# Altium PCB PCB_15122020_01BC.PcbDoc (part 5 of 9) (continued)
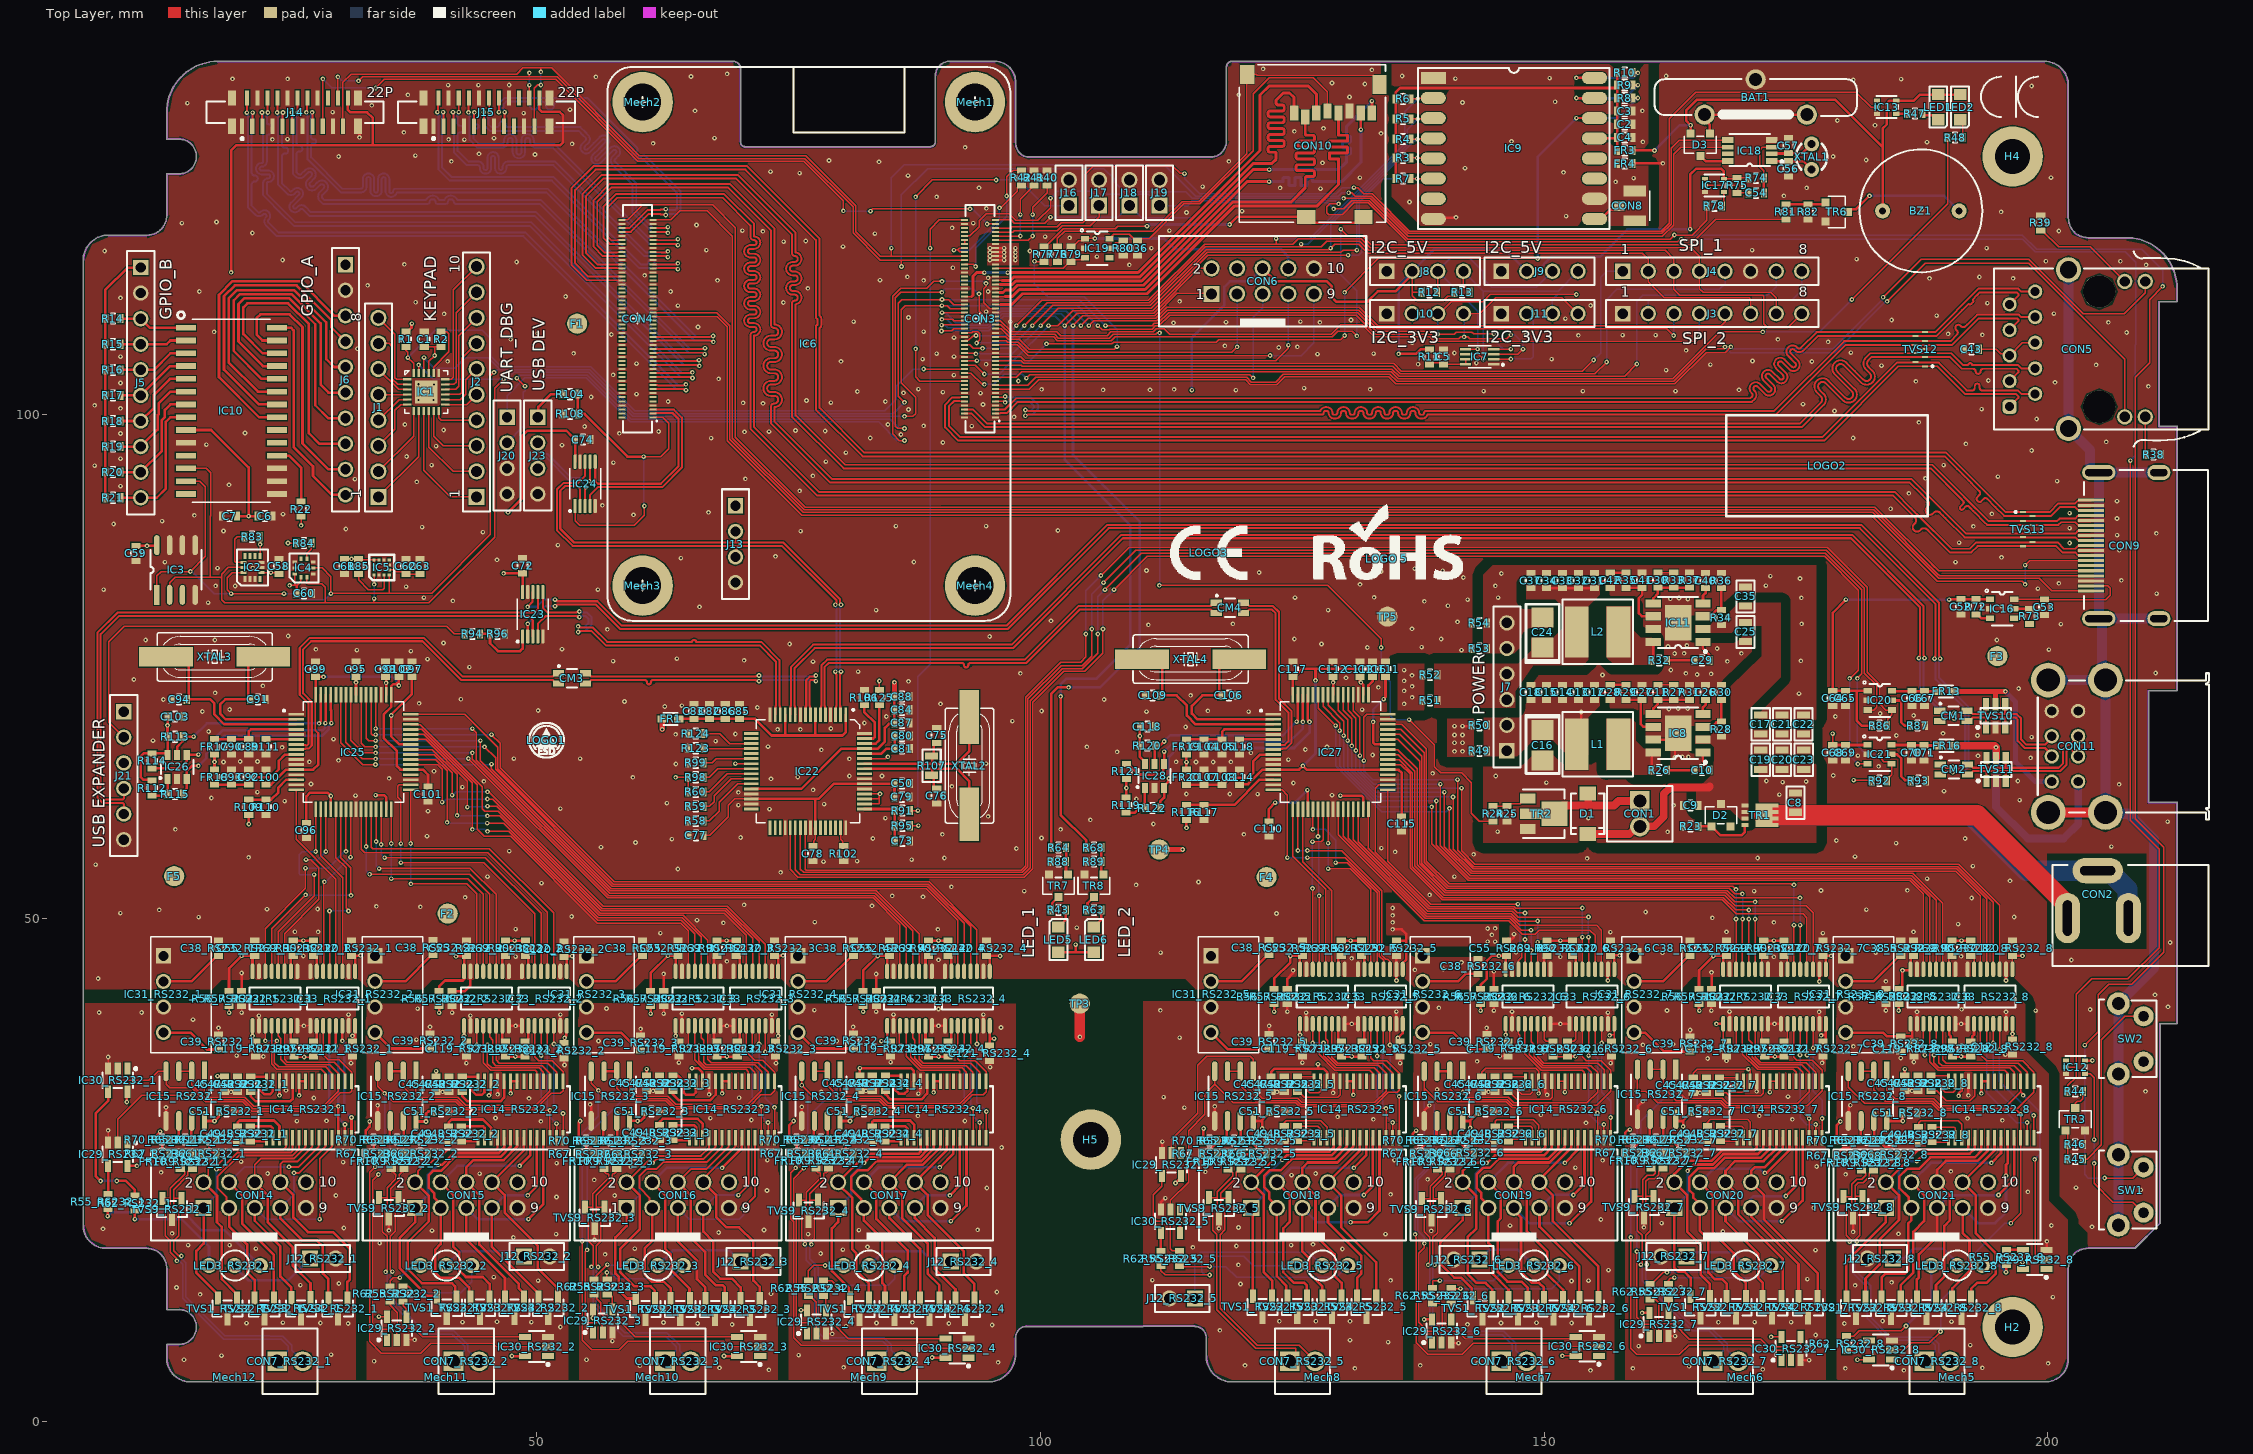
[diagram p0: Top Layer view]
## Nets (pads, with @x,y where several pads share a name; then routed paths per layer and width w, separated by ;. In a path a pad name is that pad's centre, name@x,y a point inside that pad or via, vN(x,y) a via of type N, cw(c..) or ccw(c..) an arc to the next point about the centre after c; other vN are vias at no path point) (continued)
  Top Layer w0.127: C48_RS232_7.1@167.5,27.85 169.068,27.85 169.155,27.936 IC14_RS232_7.1@169.155,28.2
NetC48_RS232_7_2: C48_RS232_7.2 IC14_RS232_7.2 | length 3.4
  Top Layer w0.127: C48_RS232_7.2@167.5,29.35 169.6,29.35 169.805,29.145 IC14_RS232_7.2@169.805,28.2 IC14_RS232_7.2@169.785,28.22
NetC48_RS232_8_1: C48_RS232_8.1 IC14_RS232_8.1 | length 2.1
  Top Layer w0.127: C48_RS232_8.1@188.5,27.75 190.068,27.75 190.155,27.836 IC14_RS232_8.1@190.155,28.2
NetC48_RS232_8_2: C48_RS232_8.2 IC14_RS232_8.2 | length 3.3
  Top Layer w0.127: C48_RS232_8.2@188.5,29.25 190.725,29.25 190.805,29.17 IC14_RS232_8.2@190.805,28.2
NetC49_RS232_1_1: C49_RS232_1.1 IC14_RS232_1.3 | length 6
  Top Layer w0.254: C49_RS232_1.1@20.3,29.325 20.3,29.7 20.5,29.9 23.89,29.9 24.455,29.335 IC14_RS232_1.3@24.455,28.2
NetC49_RS232_2_1: C49_RS232_2.1 IC14_RS232_2.3 | length 6
  Top Layer w0.254: C49_RS232_2.1@41.25,29.325 41.25,29.7 41.55,30 44.65,30 45.455,29.195 IC14_RS232_2.3@45.455,28.2
NetC49_RS232_3_1: C49_RS232_3.1 IC14_RS232_3.3 | length 6.3
  Top Layer w0.254: C49_RS232_3.1@62.2,29.45 62.2,29.75 62.525,30.075 65.962,30.075 66.455,29.582 IC14_RS232_3.3@66.455,28.2
NetC49_RS232_4_1: C49_RS232_4.1 IC14_RS232_4.3 | length 6.1
  Top Layer w0.254: C49_RS232_4.1@83.3,29.325 83.3,29.75 83.45,29.9 87.05,29.9 87.455,29.495 IC14_RS232_4.3@87.455,28.2
NetC49_RS232_5_1: C49_RS232_5.1 IC14_RS232_5.3 | length 6
  Top Layer w0.127: C49_RS232_5.1@124.2,29.35 124.2,29.7 124.4,29.9 127.8,29.9 128.455,29.245 IC14_RS232_5.3@128.455,28.2
NetC49_RS232_6_1: C49_RS232_6.1 IC14_RS232_6.3 | length 6.3
  Top Layer w0.127: C49_RS232_6.1@145.143,29.325 145.143,29.825 145.3,29.982 148.925,29.982 149.455,29.452 IC14_RS232_6.3@149.455,28.2
NetC49_RS232_7_1: C49_RS232_7.1 IC14_RS232_7.3 | length 6.4
  Top Layer w0.127: C49_RS232_7.1@166.2,29.35 166.2,29.7 166.5,30 170.2,30 170.455,29.745 IC14_RS232_7.3@170.455,28.2
NetC49_RS232_8_1: C49_RS232_8.1 IC14_RS232_8.3 | length 6.3
  Top Layer w0.127: C49_RS232_8.1@187.15,29.25 187.2,29.3 187.2,29.7 187.4,29.9 191.1,29.9 191.455,29.545 IC14_RS232_8.3@191.455,28.2
NetC50_1: C50.1 C77.1 C78.1 C79.1 IC22.30 IC22.42 IC22.54 | length 27.9
  Top Layer w0.127: C77.1@66.55,58.2 67.167,58.2 69,60.033 69,61.175 69.646,61.821 IC22.30@71.299,61.821 ; C78.1@77.4,57.15 77.467,57.15 77.467,57.64 77.662,57.836 IC22.42@77.662,58.958
  Top Layer w0.254: IC22.30@71.299,61.821 77.65,61.821 ; IC22.42@77.662,58.958 77.662,61.809 77.65,61.821 ; C79.1@85.5,62.018 85.511,62.028 85.511,63.364 85.468,63.321 IC22.54@82.526,63.321 79.475,63.321 77.975,61.821 77.65,61.821
NetC54_2: C54.2 IC17.2 R75.1 | length 5
  Top Layer w0.127: IC17.2@165.95,122.725 168.975,122.725 169.2,122.5 169.2,122.022 R75.1@169.153,121.975 C54.2@170.302,121.975
NetC62_2: C62.2 C63.2 IC5.5 | length 3.2
  Top Layer w0.127: IC5.5@35.35,84.55 35.899,84.55 36.063,84.386 36.764,84.386 C62.2@37,84.15 C63.2@38.4,84.15
NetC66_1: C66.1 C67.1 FR13.1 IC20.6 | length 4.6
  Top Layer w0.254: IC20.6@184.524,72.55 184.548,72.525 189.051,72.525 FR13.1@189.075,72.501
NetC70_1: C70.1 C71.1 FR16.1 IC21.6 | length 4.7
  Top Layer w0.254: IC21.6@184.499,67.2 184.523,67.176 186.45,67.176 C70.1@186.474,67.152 C71.1@187.724,67.152 187.75,67.126 189.099,67.126 FR16.1@189.125,67.1
NetC75_2: C75.2 IC22.58 R107.2 XTAL2.1 | length 16.7
  Top Layer w0.254: IC22.58@82.526,65.321 89.25,65.321 ; C75.2@89.7,67.375 89.596,67.375 89.423,67.202 89.423,66.298 R107.2@89.2,66.075 89.25,66.025 89.25,65.321 ; XTAL2.1@92.95,69.951 92.95,66.571 91.7,65.321 89.25,65.321
NetC76_2: C76.2 IC22.57 R107.1 XTAL2.2 | length 16.5
  Top Layer w0.254: IC22.57@82.526,64.821 89.25,64.821 ; C76.2@89.7,62.875 89.596,62.875 89.423,63.048 89.423,63.952 R107.1@89.2,64.175 89.25,64.225 89.25,64.821 ; XTAL2.2@92.95,60.299 92.95,63.575 91.704,64.821 89.25,64.821
NetC80_1: C80.1 C81.1 IC22.60 | length 4.5
  Top Layer w0.254: IC22.60@82.526,66.321 84.196,66.321 84.696,66.821 C81.1@85.521,66.821 C80.1@85.521,68.085
NetC82_1: C82.1 C83.1 C85.1 C86.1 FR1.1 IC22.1 IC22.7 IC22.13 | length 23.4
  Top Layer w0.254: FR1.1@64.009,69.771 64.012,69.767 C83.1@65.587,69.767 C82.1@67.148,69.767 C86.1@68.708,69.767 C85.1@70.108,69.767 71.658,69.767 73.304,68.121 74.7,68.121 ; IC22.13@74.662,70.185 74.662,68.159 74.7,68.121 ; IC22.7@77.662,70.185 77.662,68.159 77.7,68.121 ; IC22.1@80.662,70.185 80.662,68.438 80.346,68.121 77.7,68.121 ; 74.7,68.121 77.7,68.121
NetC89_1: C89.1 C90.1 FR17.2 IC25.4 | length 8.9
  Top Layer w0.254: FR17.2@18,67.75 C90.1@19.7,67.75 C89.1@21.4,67.75 21.4,68.504 21.626,68.73 26.07,68.73 IC25.4@26.075,68.725
NetC92_2: C92.2 C93.2 FR18.2 IC25.9 | length 10
  Top Layer w0.254: FR18.2@18,63.25 C93.2@19.7,63.25 C92.2@21.4,63.25 21.4,63.56 21.804,63.964 23.586,63.964 24.382,64.76 24.382,65.593 25.019,66.23 IC25.9@26.12,66.23
NetC99_1: C99.1 C100.1 C101.1 C102.1 IC25.12 IC25.37 IC25.49 IC25.64 | length 38.8
  Top Layer w0.127: IC25.64@28.05,72.16 28,72.11 28,68.649 28.309,68.34
  Top Layer w0.254: C100.1@23.1,63.25 23.622,63.25 25.102,64.73 IC25.12@26.07,64.73 ; IC25.12@26.12,64.73 27.782,64.73 28.309,65.257 28.309,68.34 ; IC25.64@28.037,72.16 28.05,72.173 C99.1@28.05,73.95 v1(28.825,73.95) ; v1(36.3,73.089) 36.3,73.5 ; C102.1@36.3,73.95 36.3,73.5 ; C101.1@39.2,63.05 39.2,64.225 38.695,64.73 IC25.37@37.48,64.73 36.453,64.73 36.1,65.083 36.1,66.575 34.799,67.876 34.799,70.219 35.55,70.97 IC25.49@35.55,72.16 35.55,73.025 35.75,73.225 36.025,73.225 36.3,73.5
  Bottom Layer w0.254: v1(28.825,73.95) 35.65,73.95 36.3,73.3 v1(36.3,73.089)
NetC104_1: C104.1 C105.1 FR19.2 IC27.4 | length 9.5
  Top Layer w0.254: FR19.2@114.48,67.731 C104.1@116.245,67.731 C105.1@118.01,67.731 118.03,67.751 118.03,68.49 118.27,68.73 IC27.4@123.12,68.73
NetC107_2: C107.2 C108.2 FR20.2 IC27.9 | length 10.5
  Top Layer w0.254: FR20.2@114.48,63.233 C107.2@116.245,63.233 C108.2@118.01,63.233 118.16,63.233 118.837,63.91 120.577,63.91 121.133,64.466 121.133,65.567 121.796,66.23 IC27.9@123.12,66.23
NetC114_1: C114.1 C115.1 C116.1 C117.1 IC27.12 IC27.37 IC27.49 IC27.64 | length 44.3
  Top Layer w0.254: C114.1@119.775,63.233 119.842,63.3 120.606,63.3 122.036,64.73 IC27.12@123.12,64.73 125.68,64.73 v1(126.05,65.1) 126.42,64.73 IC27.37@134.48,64.73 134.493,64.717 135.558,64.717 135.85,64.425 C115.1@135.85,60.1 ; IC27.64@125.05,72.16 C117.1@125.05,73.95 125.2,73.95 125.975,74.725 127.4,74.725 ; v1(127.3,73.6) 127.3,74.625 127.4,74.725 ; IC27.49@132.55,72.16 132.55,73.1 133,73.55 133,73.925 C116.1@132.975,73.95 132.975,74.525 132.775,74.725 127.4,74.725
  Bottom Layer w0.254: v1(126.05,65.1) 127.3,66.35 v1(127.3,73.6)
NetCON1_1: CON1.1 D1.1 TR2.2 | length 12.5
  Top Layer w0.254: TR2.2@148.722,60.35 TR2.2@151.022,60.35
  Top Layer w0.762: TR2.2@151.022,60.35 151.841,61.169 154.386,61.169 ; D1.1@154.315,62.365 154.386,62.294 154.386,61.169 ; CON1.1@159.5,61.62 157.382,61.62 156.931,61.169 154.386,61.169
NetCON5_12: CON5.12 R38.1 | length 3.8
  Top Layer w0.127: CON5.12@209.67,99.75 209.67,96.08 R38.1@209.75,96
NetCON5_13: CON5.13 R39.1 | length 10.4
  Top Layer w0.127: R39.1@199.3,118.25 199.45,118.25 201.075,116.625 204.215,116.625 CON5.13@207.64,113.2
NetCON8_1: CON8.1 IC9.9 | length 3
  Top Layer w0.293: IC9.9@155,119.4 155.65,119.4 156.597,120.346 157.121,120.346 CON8.1@157.475,120.7
NetCON10_9: CON10.9 R76.2 | length 44.7
  Top Layer w0.127: R76.2@101.688,116.65 101.688,117.458 102.39,118.16 111.124,118.16 114.082,121.117 115.723,121.117 120.46,125.855 120.46,133.689 CON10.9@120.525,133.754 121.414,133.754 121.525,133.643 133.04,133.643 133.675,133.008 CON10.9@133.675,132.754
NetCON10_10: CON10.10 R77.2 | length 33.4
  Top Layer w0.127: R77.2@100.338,116.65 100.488,116.65 102.252,118.414 107.401,118.414 107.662,118.675 v1(110.575,118.675)
  Top Layer w0.254: v1(118.775,118.85) 119.529,119.604 CON10.10@126.375,119.604 126.946,119.032 131.503,119.032 CON10.10@132.075,119.604
  Bottom Layer w0.254: v1(110.575,118.675) 110.628,118.675 110.803,118.85 v1(118.775,118.85)
NetD2_1: D2.1 R23.2 TR1.2 | length 5.8
  Top Layer w0.254: R23.2@165.299,59.1 D2.1@166.599,59.1 167.499,58.2 169.601,58.2 169.924,58.523 TR1.2@169.924,59.225
NetD3_3: D3.3 IC18.8 | length 3
  Top Layer w0.127: D3.3@165.5,125.667 D3.3@165.558,125.724
  Top Layer w0.254: D3.3@165.5,125.667 166.03,125.136 IC18.8@168.225,125.136
NetFR9_RS232_1_1: FR9_RS232_1.1 R66_RS232_1.2 | length 1
  Top Layer w0.254: FR9_RS232_1.1@15.8,26.577 16.537,26.577 R66_RS232_1.2@16.71,26.75
NetFR9_RS232_2_1: FR9_RS232_2.1 R66_RS232_2.2 | length 0.9
  Top Layer w0.127: FR9_RS232_2.1@36.8,26.609 37.701,26.609 R66_RS232_2.2@37.71,26.6
NetFR9_RS232_3_1: FR9_RS232_3.1 R66_RS232_3.2 | length 1.1
  Top Layer w0.254: FR9_RS232_3.1@57.935,26.35 58.777,26.35 58.95,26.523 R66_RS232_3.2@58.95,26.55
NetFR9_RS232_4_1: FR9_RS232_4.1 R66_RS232_4.2 | length 1.2
  Top Layer w0.127: FR9_RS232_4.1@78.95,26.653 79.014,26.589 R66_RS232_4.2@79.929,26.589
  Top Layer w0.254: R66_RS232_4.2@79.79,26.45 R66_RS232_4.2@79.929,26.589
NetFR9_RS232_5_1: FR9_RS232_5.1 R66_RS232_5.2 | length 1.1
  Top Layer w0.254: FR9_RS232_5.1@119.9,26.55 120.9,26.55 R66_RS232_5.2@120.95,26.6
NetFR9_RS232_6_1: FR9_RS232_6.1 R66_RS232_6.2 | length 1
  Top Layer w0.254: FR9_RS232_6.1@140.65,26.55 140.8,26.7 R66_RS232_6.2@141.55,26.7
NetFR9_RS232_7_1: FR9_RS232_7.1 R66_RS232_7.2 | length 0.9
  Top Layer w0.254: FR9_RS232_7.1@161.8,26.65 162.6,26.65 R66_RS232_7.2@162.65,26.7
NetFR9_RS232_8_1: FR9_RS232_8.1 R66_RS232_8.2 | length 1
  Top Layer w0.254: FR9_RS232_8.1@182.7,26.45 183.6,26.45 R66_RS232_8.2@183.65,26.5
NetFR10_RS232_1_2: FR10_RS232_1.2 R67_RS232_1.2 | length 1.1
  Top Layer w0.254: R67_RS232_1.2@13.55,26.6 13.573,26.577 FR10_RS232_1.2@14.6,26.577
NetFR10_RS232_2_2: FR10_RS232_2.2 R67_RS232_2.2 | length 1
  Top Layer w0.127: R67_RS232_2.2@34.55,26.502 34.656,26.609 FR10_RS232_2.2@35.55,26.609
NetFR10_RS232_3_2: FR10_RS232_3.2 R67_RS232_3.2 | length 1.1
  Top Layer w0.254: R67_RS232_3.2@55.65,26.55 55.65,26.523 55.823,26.35 FR10_RS232_3.2@56.665,26.35
NetFR10_RS232_4_2: FR10_RS232_4.2 R67_RS232_4.2 | length 1.3
  Top Layer w0.127: R67_RS232_4.2@76.65,26.605 77.65,26.605 FR10_RS232_4.2@77.698,26.653
  Top Layer w0.254: R67_RS232_4.2@76.65,26.605 R67_RS232_4.2@76.805,26.45
NetFR10_RS232_5_2: FR10_RS232_5.2 R67_RS232_5.2 | length 1.1
  Top Layer w0.254: R67_RS232_5.2@117.55,26.6 117.6,26.55 FR10_RS232_5.2@118.6,26.55
NetFR10_RS232_6_2: FR10_RS232_6.2 R67_RS232_6.2 | length 1
  Top Layer w0.254: R67_RS232_6.2@138.45,26.6 139.35,26.6 FR10_RS232_6.2@139.4,26.55
NetFR10_RS232_7_2: FR10_RS232_7.2 R67_RS232_7.2 | length 1.1
  Top Layer w0.254: R67_RS232_7.2@159.55,26.7 159.6,26.65 FR10_RS232_7.2@160.6,26.65
NetFR10_RS232_8_2: FR10_RS232_8.2 R67_RS232_8.2 | length 1
  Top Layer w0.254: R67_RS232_8.2@180.55,26.4 180.6,26.45 FR10_RS232_8.2@181.5,26.45
NetIC2_12: IC2.12 R83.1 | length 4.2
  Top Layer w0.127: IC2.12@20.871,85.3 20.1,85.3 20,85.4 20,87.6 20.25,87.85 R83.1@20.981,87.85
NetIC4_6: IC4.6 R84.2 | length 1.7
  Top Layer w0.127: IC4.6@27.181,85.664 27.181,86.181 27.6,86.6 27.6,87.194 R84.2@27.631,87.225
NetIC5_3: IC5.3 R85.1 | length 4.9
  Top Layer w0.127: R85.1@32.3,84.15 32.3,83.575 33.275,82.6 34.726,82.6 34.85,82.724 IC5.3@34.85,84.05
NetIC8_3: IC8.3 R28.1 R30.1 | length 4.2
  Top Layer w0.254: IC8.3@165.765,68.975 165.781,68.991 166.668,68.991 167.088,69.411 167.511,69.411 R28.1@167.6,69.5 R30.1@167.6,71.65
NetIC8_8: IC8.8 L1.1 R26.2 | length 1.8
  Top Layer w0.254: R26.2@160.675,64.675 160.675,66.275 IC8.8@160.835,66.435
NetIC10_1: IC10.1 J5.3 R14.1 | length 6.9
  Top Layer w0.254: R14.1@8.675,109.5 J5.3@10.675,109.5 11.57,108.605 IC10.1@15.16,108.605
NetIC10_2: IC10.2 J5.4 R15.1 | length 6.6
  Top Layer w0.254: R15.1@8.675,106.96 J5.4@10.675,106.96 13.25,106.96 13.625,107.335 IC10.2@15.16,107.335
NetIC10_3: IC10.3 J5.5 R16.1 | length 7.2
  Top Layer w0.254: R16.1@8.675,104.42 J5.5@10.675,104.42 11.98,104.42 13.625,106.065 IC10.3@15.16,106.065
NetIC10_4: IC10.4 J5.6 R17.1 | length 7.7
  Top Layer w0.254: R17.1@8.675,101.88 J5.6@10.675,101.88 13.59,104.795 IC10.4@15.16,104.795
NetIC10_5: IC10.5 J5.7 R18.1 | length 9
  Top Layer w0.254: R18.1@8.675,99.34 J5.7@10.675,99.34 11.975,100.64 11.975,101.925 13.575,103.525 IC10.5@15.16,103.525
NetIC10_6: IC10.6 J5.8 R19.1 | length 10.2
  Top Layer w0.254: R19.1@8.675,96.8 J5.8@10.675,96.8 12.367,98.492 12.367,99.916 12.489,100.038 12.489,101.119 13.625,102.255 IC10.6@15.16,102.255
NetIC10_7: IC10.7 J5.9 R20.1 | length 11.5
  Top Layer w0.254: R20.1@8.675,94.26 J5.9@10.675,94.26 12.771,96.356 12.771,99.432 13.075,99.736 13.075,100.435 13.625,100.985 IC10.7@15.16,100.985
NetIC10_8: IC10.8 J5.10 R21.1 | length 13.7
  Top Layer w0.254: R21.1@8.675,91.72 J5.10@10.675,91.72 12.27,91.72 13.175,92.625 13.175,99.265 13.625,99.715 IC10.8@15.16,99.715
NetIC10_18: IC10.18 R22.1 | length 6.3
  Top Layer w0.254: IC10.18@24.19,95.905 25.407,95.905 26.6,94.712 R22.1@26.6,91.35
NetIC10_21: IC10.21 J6.3 | length 30.1
  Top Layer w0.254: IC10.21@24.19,99.715 22.428,99.715 18.448,103.695 18.448,111.871 19.806,113.229 26.489,113.229 29.938,109.78 J6.3@31,109.78
NetIC10_22: IC10.22 J6.4 | length 29.2
  Top Layer w0.254: IC10.22@24.19,100.985 22.407,100.985 18.945,104.447 18.945,111.733 20.017,112.805 26.156,112.805 29.594,109.367 29.594,108.646 J6.4@31,107.24
NetIC10_23: IC10.23 J6.5 | length 29.6
  Top Layer w0.254: IC10.23@24.19,102.255 22.315,102.255 19.412,105.158 19.412,111.499 20.251,112.338 25.893,112.338 29.098,109.133 29.098,105.481 29.879,104.7 J6.5@31,104.7
NetIC10_24: IC10.24 J6.6 | length 29.4
  Top Layer w0.254: IC10.24@24.19,103.525 22.686,103.525 19.916,106.295 19.916,111.302 20.551,111.937 25.63,111.937 28.529,109.038 28.529,102.948 29.317,102.16 J6.6@31,102.16
NetIC10_25: IC10.25 J6.7 | length 29
  Top Layer w0.254: IC10.25@24.19,104.795 22.818,104.795 20.383,107.23 20.383,110.944 20.952,111.513 25.434,111.513 28.003,108.944 28.003,100.905 29.288,99.62 J6.7@31,99.62
NetIC10_26: IC10.26 J6.8 | length 29.2
  Top Layer w0.254: IC10.26@24.19,106.065 22.785,106.065 20.872,107.978 20.872,110.608 21.274,111.01 25.317,111.01 27.368,108.959 27.368,98.124 28.412,97.08 J6.8@31,97.08
NetIC10_27: IC10.27 J6.9 | length 26
  Top Layer w0.254: IC10.27@24.19,107.335 22.765,107.335 22.182,107.918 22.182,109.557 22.554,109.929 25.462,109.929 26.74,108.651 26.74,97.113 29.313,94.54 J6.9@31,94.54
NetIC10_28: IC10.28 J6.10 | length 21
  Top Layer w0.254: IC10.28@24.19,108.605 25.595,108.605 25.862,108.338 25.862,96.764 27.781,94.845 27.781,93.885 29.666,92 J6.10@31,92
NetIC11_3: IC11.3 R34.1 R36.1 | length 4.3
  Top Layer w0.254: IC11.3@165.765,79.96 166.561,79.96 166.71,80.109 166.71,80.156 167.116,80.562 167.585,80.562 R34.1@167.6,80.577 R36.1@167.6,82.75
NetIC11_8: IC11.8 L2.1 R32.2 | length 1.9
  Top Layer w0.254: R32.2@160.675,75.577 160.835,75.737 IC11.8@160.835,77.42
NetIC12_4: IC12.4 SW1.1 | length 17.7
  Top Layer w0.127: IC12.4@203.7,34.55 204.2,34.55 204.6,34.15 v1(204.6,28) ; v1(204.6,25.65) 204.6,23.65 206.45,21.8 208.45,21.8 SW1.1@209.5,20.75
  Bottom Layer w0.127: v1(204.6,25.65) v1(204.6,28)
NetIC13_4: IC13.4 R47.2 | length 1.1
  Top Layer w0.254: IC13.4@184.954,129.85 R47.2@186.05,129.85
NetIC15_RS232_1_6: IC15_RS232_1.6 R65_RS232_1.1 R67_RS232_1.1 R70_RS232_1.2 | length 5.3
  Top Layer w0.254: R67_RS232_1.1@12.05,26.6 12.4,26.6 12.8,27 12.8,27.8 13,28 R70_RS232_1.2@13.522,28 R65_RS232_1.1@14.35,28 14.465,28.115 IC15_RS232_1.6@14.465,29.86
NetIC15_RS232_1_7: IC15_RS232_1.7 R61_RS232_1.1 R65_RS232_1.2 R66_RS232_1.1 | length 5.2
  Top Layer w0.254: IC15_RS232_1.7@15.735,29.86 15.7,29.825 15.7,28.15 R65_RS232_1.2@15.85,28 R61_RS232_1.1@16.696,28 17.1,28 17.5,27.6 17.5,27 17.75,26.75 R66_RS232_1.1@18.21,26.75
NetIC15_RS232_2_6: IC15_RS232_2.6 R65_RS232_2.1 R67_RS232_2.1 R70_RS232_2.2 | length 5.4
  Top Layer w0.254: R67_RS232_2.1@33.05,26.577 33.078,26.605 33.5,26.605 33.8,26.905 33.8,27.851 33.949,28 R70_RS232_2.2@34.522,28 R65_RS232_2.1@35.35,28 35.412,28.062 35.412,29.807 IC15_RS232_2.6@35.465,29.86
NetIC15_RS232_2_7: IC15_RS232_2.7 R61_RS232_2.1 R65_RS232_2.2 R66_RS232_2.1 | length 5.2
  Top Layer w0.254: IC15_RS232_2.7@36.735,29.86 36.788,29.807 36.788,28.062 R65_RS232_2.2@36.85,28 R61_RS232_2.1@37.71,28 38.081,28 38.46,27.621 38.46,26.935 38.79,26.605 39.205,26.605 R66_RS232_2.1@39.21,26.6
NetIC15_RS232_3_6: IC15_RS232_3.6 R65_RS232_3.1 R67_RS232_3.1 R70_RS232_3.2 | length 5.5
  Top Layer w0.254: R67_RS232_3.1@54.15,26.55 54.6,26.55 54.9,26.85 54.9,27.751 55.049,27.9 R70_RS232_3.2@55.65,27.9 R65_RS232_3.1@56.55,27.9 56.612,27.962 56.612,29.807 IC15_RS232_3.6@56.665,29.86
NetIC15_RS232_3_7: IC15_RS232_3.7 R61_RS232_3.1 R65_RS232_3.2 R66_RS232_3.1 | length 5.5
  Top Layer w0.254: IC15_RS232_3.7@57.935,29.86 57.988,29.807 57.988,27.962 R65_RS232_3.2@58.05,27.9 R61_RS232_3.1@58.95,27.9 59.373,27.9 59.7,27.573 59.7,26.747 59.897,26.55 R66_RS232_3.1@60.45,26.55
NetIC15_RS232_4_6: IC15_RS232_4.6 R65_RS232_4.1 R67_RS232_4.1 R70_RS232_4.2 | length 5.4
  Top Layer w0.254: R67_RS232_4.1@75.15,26.605 75.6,26.605 75.8,26.805 75.8,27.78 75.982,27.962 76.512,27.962 R70_RS232_4.2@76.55,28 R65_RS232_4.1@77.45,28 77.512,28.062 77.512,29.807 IC15_RS232_4.6@77.565,29.86
NetIC15_RS232_4_7: IC15_RS232_4.7 R61_RS232_4.1 R65_RS232_4.2 R66_RS232_4.1 | length 5.5
  Top Layer w0.254: IC15_RS232_4.7@78.835,29.86 78.888,29.807 78.888,28.062 R65_RS232_4.2@78.95,28 R61_RS232_4.1@79.929,28 80.4,28 80.679,27.721 80.679,26.821 80.9,26.6 81.418,26.6 R66_RS232_4.1@81.429,26.589
NetIC15_RS232_5_6: IC15_RS232_5.6 R65_RS232_5.1 R67_RS232_5.1 R70_RS232_5.2 | length 4.9
  Top Layer w0.254: R67_RS232_5.1@116.05,26.6 116.4,26.6 117.7,27.9 R65_RS232_5.1@118.45,27.9 118.512,27.962 118.512,29.807 IC15_RS232_5.6@118.565,29.86
NetIC15_RS232_5_7: IC15_RS232_5.7 R61_RS232_5.1 R65_RS232_5.2 R66_RS232_5.1 | length 5.1
  Top Layer w0.254: IC15_RS232_5.7@119.835,29.86 119.888,29.807 119.888,27.962 R65_RS232_5.2@119.95,27.9 R61_RS232_5.1@120.95,27.9 120.95,27.75 122.05,26.65 122.4,26.65 R66_RS232_5.1@122.45,26.6
NetIC15_RS232_6_6: IC15_RS232_6.6 R65_RS232_6.1 R67_RS232_6.1 R70_RS232_6.2 | length 4.9
  Top Layer w0.254: R67_RS232_6.1@136.95,26.6 137.25,26.6 138.45,27.8 R70_RS232_6.2@138.45,27.95 R65_RS232_6.1@139.25,27.95 139.312,28.012 139.312,29.807 IC15_RS232_6.6@139.365,29.86
NetIC15_RS232_6_7: IC15_RS232_6.7 R61_RS232_6.1 R65_RS232_6.2 R66_RS232_6.1 | length 4.9
  Top Layer w0.254: IC15_RS232_6.7@140.635,29.86 140.688,29.807 140.688,28.012 R65_RS232_6.2@140.75,27.95 R61_RS232_6.1@141.55,27.95 141.55,27.8 142.65,26.7 R66_RS232_6.1@143.05,26.7
NetIC15_RS232_7_6: IC15_RS232_7.6 R65_RS232_7.1 R67_RS232_7.1 R70_RS232_7.2 | length 5
  Top Layer w0.254: R67_RS232_7.1@158.05,26.7 158.125,26.775 158.475,26.775 159.55,27.85 R70_RS232_7.2@159.55,28 R65_RS232_7.1@160.35,28 160.481,28.131 160.481,29.982 IC15_RS232_7.6@160.533,30.035
NetIC15_RS232_7_7: IC15_RS232_7.7 R61_RS232_7.1 R65_RS232_7.2 R66_RS232_7.1 | length 5.1
  Top Layer w0.254: IC15_RS232_7.7@161.803,30.035 161.827,30.012 161.827,28.023 R65_RS232_7.2@161.85,28 R61_RS232_7.1@162.75,28 162.75,27.85 163.5,27.1 163.6,27.1 163.677,27.023 163.977,27.023 164.15,26.85 R66_RS232_7.1@164.15,26.7
NetIC15_RS232_8_6: IC15_RS232_8.6 R65_RS232_8.1 R67_RS232_8.1 R70_RS232_8.2 | length 5.3
  Top Layer w0.254: R67_RS232_8.1@179.05,26.4 179.05,26.55 179.7,27.2 180.343,27.2 180.443,27.3 180.443,27.843 R70_RS232_8.2@180.55,27.95 R65_RS232_8.1@181.349,27.95 181.411,28.012 181.411,29.807 IC15_RS232_8.6@181.464,29.86
NetIC15_RS232_8_7: IC15_RS232_8.7 R61_RS232_8.1 R65_RS232_8.2 R66_RS232_8.1 | length 5.2
  Top Layer w0.254: IC15_RS232_8.7@182.734,29.86 182.787,29.807 182.787,28.012 R65_RS232_8.2@182.849,27.95 R61_RS232_8.1@183.653,27.95 183.653,27.449 183.802,27.3 184.458,27.3 184.758,27 184.8,27 185.15,26.65 R66_RS232_8.1@185.15,26.5
NetIC16_3: IC16.3 R72.1 | length 1.6
  Top Layer w0.254: R72.1@192.865,80.15 193.015,80.15 193.415,79.75 IC16.3@194.265,79.75
NetIC16_5: IC16.5 R73.1 | length 1.5
  Top Layer w0.254: IC16.5@196.665,80.7 198.2,80.7
NetIC19_5: IC19.5 R80.2 | length 1.7
  Top Layer w0.127: IC19.5@106.838,116.499 106.963,116.499 107.478,117.014 107.977,117.014 R80.2@108.213,117.25
NetIC20_5: IC20.5 R87.1 | length 4
  Top Layer w0.254: IC20.5@184.524,71.6 184.527,71.596 185.301,71.596 185.45,71.448 185.45,69.426 185.8,69.076 186.3,69.076 R87.1@186.325,69.101
NetIC21_5: IC21.5 R93.1 | length 4
  Top Layer w0.254: IC21.5@184.499,66.25 185.05,66.25 185.45,65.85 185.45,64.064 185.825,63.689 186.336,63.689 R93.1@186.4,63.625
NetIC22_19: IC22.19 R124.1 | length 5.2
  Top Layer w0.127: R124.1@66.527,68.3 68.159,68.3 69.138,67.321 IC22.19@71.299,67.321
NetIC22_20: IC22.20 R123.1 | length 4.8
  Top Layer w0.127: R123.1@66.527,66.857 66.563,66.821 IC22.20@71.299,66.821
NetIC22_22: IC22.22 R99.1 | length 4.9
  Top Layer w0.127: R99.1@66.527,65.414 67.4,65.414 67.807,65.821 IC22.22@71.299,65.821
NetIC22_24: IC22.24 R98.1 | length 5.1
  Top Layer w0.127: R98.1@66.527,63.972 67.119,63.972 67.969,64.821 IC22.24@71.299,64.821
NetIC22_25: IC22.25 R60.1 | length 5.5
  Top Layer w0.127: R60.1@66.527,62.529 67.112,62.529 68.905,64.321 IC22.25@71.299,64.321
NetIC22_26: IC22.26 R59.1 | length 6.2
  Top Layer w0.127: R59.1@66.527,61.086 67.131,61.086 67.6,61.555 67.6,62.121 69.3,63.821 IC22.26@71.299,63.821
NetIC22_27: IC22.27 R58.1 | length 6.8
  Top Layer w0.127: R58.1@66.527,59.643 67.119,59.643 68.1,60.624 68.1,61.493 69.929,63.321 IC22.27@71.299,63.321
NetIC22_47: IC22.47 R102.1 | length 2
  Top Layer w0.127: IC22.47@80.162,58.958 80.162,57.836 80.358,57.64 80.358,57.15 R102.1@80.472,57.15
NetIC22_62: IC22.62 R125.1 | length 5.1
  Top Layer w0.254: IC22.62@82.526,67.321 83.646,67.321 84.013,67.688 R125.1@84.013,71.136
NetIC22_63: IC22.63 R106.1 | length 4.7
  Top Layer w0.254: IC22.63@82.526,67.821 83.396,67.821 83.55,67.975 83.55,69.391 82.526,70.415 R106.1@82.526,71.136
NetIC23_1: IC23.1 R94.1 R96.2 | length 6.8
  Top Layer w0.254: R94.1@44.35,78.2 R96.2@45.355,78.2 45.355,77.28 46.135,76.5 48.342,76.5 48.6,76.757 IC23.1@48.6,77.95
NetIC25_6: IC25.6 R111.2 | length 3
  Top Layer w0.254: R111.2@23.125,67.725 23.14,67.74 26.06,67.74 IC25.6@26.07,67.73
NetIC25_14: IC25.14 R109.2 R110.2 | length 5.8
  Top Layer w0.254: R109.2@21.4,61.75 R110.2@23.1,61.75 23.624,61.75 24.334,62.46 24.334,62.937 25.127,63.73 IC25.14@26.12,63.73 IC25.14@26.125,63.725
NetIC25_16: IC25.16 IC33_RS232_1.4 | length 19.7
  Top Layer w0.127: IC25.16@26.12,62.73 26.12,57.807 30.057,53.869 IC33_RS232_1.4@30.057,44.7
NetIC25_17: IC25.17 IC32_RS232_1.12 | length 20.5
  Top Layer w0.127: IC32_RS232_1.12@24.318,44.7 24.318,48.619 27.9,52.201 v1(27.9,54.3) ; v1(28.037,56.6) 28.05,56.613 IC25.17@28.05,60.8
  Bottom Layer w0.127: v1(27.9,54.3) 26.474,54.3 26.4,54.374 26.4,56.3 26.7,56.6 v1(28.037,56.6)
NetIC25_18: IC25.18 IC33_RS232_1.3 | length 17
  Top Layer w0.127: IC25.18@28.55,60.8 28.55,56.2 30.729,54.021 30.729,44.736 IC33_RS232_1.3@30.692,44.7
NetIC25_19: IC25.19 IC32_RS232_1.11 | length 19.8
  Top Layer w0.127: IC32_RS232_1.11@24.953,44.7 24.953,48.453 28.355,51.855 28.355,55.015 27.57,55.8 v1(27.08,55.8) ; v1(29.05,56.6) IC25.19@29.05,60.8
  Bottom Layer w0.127: v1(27.08,55.8) 28.25,55.8 v1(29.05,56.6)
NetIC25_21: IC25.21 IC33_RS232_1.5 | length 18.5
  Top Layer w0.127: IC33_RS232_1.5@29.422,44.7 v1(29.422,50.7) ; IC25.21@30.05,60.8 30.05,56 31.059,54.991 31.059,51.029 31.3,50.787 v1(31.3,50.7)
  Bottom Layer w0.127: v1(29.422,50.7) v1(31.3,50.7)
NetIC25_22: IC25.22 IC32_RS232_1.13 | length 22.5
  Top Layer w0.127: IC32_RS232_1.13@23.683,44.7 23.683,48.928 v1(27.055,52.3) ; IC25.22@30.55,60.8 30.55,56 31.55,55 v1(31.55,52.25)
  Bottom Layer w0.127: v1(27.055,52.3) 27.08,52.275 31.525,52.275 v1(31.55,52.25)
NetIC25_23: IC25.23 IC32_RS232_1.14 | length 20.8
  Top Layer w0.127: IC32_RS232_1.14@23.048,44.7 23.048,48.948 27.031,52.931 v1(27.031,54.95) ; IC25.23@31.05,60.8 31.054,60.796 31.054,56.617 v1(31.059,56.613)
  Bottom Layer w0.127: v1(27.031,54.95) 29.291,54.95 30.954,56.613 v1(31.059,56.613)
NetIC25_24: IC25.24 IC33_RS232_1.6 | length 17.3
  Top Layer w0.127: IC33_RS232_1.6@28.787,44.7 28.84,44.752 28.84,53.54 v1(28.9,53.6) ; v1(31.5,56.05) 31.55,56.1 IC25.24@31.55,60.8
  Bottom Layer w0.127: v1(28.9,53.6) 29.05,53.6 v1(31.5,56.05)
NetIC25_26: IC25.26 IC33_RS232_2.4 | length 30.9
  Top Layer w0.127: IC25.26@32.55,60.8 32.55,56.85 32.9,56.5 45.127,56.5 51.058,50.569 IC33_RS232_2.4@51.058,44.7
NetIC25_27: IC25.27 IC32_RS232_2.12 | length 27
  Top Layer w0.127: v1(33.05,57.1) IC25.27@33.05,60.8 ; v1(33.4,54.347) 43.346,54.347 45.317,52.375 IC32_RS232_2.12@45.317,44.7
  Bottom Layer w0.127: v1(33.05,57.1) 33.05,54.697 v1(33.4,54.347)
NetIC25_28: IC25.28 IC33_RS232_2.3 | length 30.4
  Top Layer w0.127: IC25.28@33.55,60.8 33.55,57.05 33.7,56.9 45.3,56.9 51.693,50.507 IC33_RS232_2.3@51.693,44.7
NetIC25_29: IC25.29 IC32_RS232_2.11 | length 26.4
  Top Layer w0.127: v1(34.05,57.6) IC25.29@34.05,60.8 ; v1@34.35,54.95 43.35,54.95 45.952,52.348 IC32_RS232_2.11@45.952,44.7
  Bottom Layer w0.127: v1(34.05,57.6) 34.05,55.2 v1(34.35,54.9)
NetIC25_30: IC25.30 IC33_RS232_2.5 | length 28.5
  Top Layer w0.127: v1(34.55,57.3) IC25.30@34.55,60.8 ; v1(34.9,56) 44.9,56 50.423,50.478 IC33_RS232_2.5@50.423,44.7
  Bottom Layer w0.127: v1(34.55,57.3) 34.55,56.35 v1(34.9,56)
NetIC25_32: IC25.32 IC32_RS232_2.13 | length 24.3
  Top Layer w0.127: v1(35.55,53.9) 43.161,53.9 44.682,52.379 IC32_RS232_2.13@44.682,44.7 ; v1(35.55,57.4) IC25.32@35.55,60.8
  Bottom Layer w0.127: v1(35.55,53.9) v1(35.55,57.4)
NetIC25_33: IC25.33 IC32_RS232_2.14 | length 24
  Top Layer w0.127: v1(37.48,57.4) IC25.33@37.48,62.73 ; v1(37.5,53.4) 43.043,53.4 44.047,52.395 IC32_RS232_2.14@44.047,44.7
  Bottom Layer w0.127: v1(37.48,57.4) 37.49,57.39 37.49,53.41 v1(37.5,53.4)
NetIC25_34: IC25.34 IC33_RS232_2.6 | length 30.2
  Top Layer w0.127: v1(36.5,55.5) 44.718,55.5 49.788,50.43 IC33_RS232_2.6@49.788,44.7 ; v1(36.5,57.39) 36.5,61.7 36.2,62 36.2,63.1 36.33,63.23 IC25.34@37.48,63.23
  Bottom Layer w0.127: v1(36.5,55.5) v1(36.5,57.39)
NetIC25_38: IC25.38 IC33_RS232_3.4 | length 47
  Top Layer w0.127: IC25.38@37.48,65.23 40.16,65.23 40.6,64.79 v1(40.6,61.5) ; v1(45.09,61.81) 45.635,61.81 56.502,50.943 68.804,50.943 72.057,47.689 IC33_RS232_3.4@72.057,44.7
  Bottom Layer w0.127: v1(40.6,61.5) 40.69,61.5 40.995,61.805 45.085,61.805 v1(45.09,61.81)
NetIC25_39: IC25.39 IC32_RS232_3.12 | length 42.6
  Top Layer w0.127: IC25.39@37.48,65.73 39.984,65.73 41.1,64.614 v1(41.1,59.5) ; v1(45.08,59.41) 46.742,59.41 56.123,50.029 64.418,50.029 66.318,48.129 IC32_RS232_3.12@66.318,44.7
  Bottom Layer w0.127: v1(41.1,59.5) 41.19,59.41 v1(45.08,59.41)
NetIC25_40: IC25.40 IC33_RS232_3.3 | length 47.3
  Top Layer w0.127: IC25.40@37.48,66.23 39.807,66.23 41.6,64.437 v1(41.6,62.2) ; v1(45.1,62.53) 45.238,62.53 56.596,51.172 68.898,51.172 72.692,47.377 IC33_RS232_3.3@72.692,44.7
  Bottom Layer w0.127: v1(41.6,62.2) 41.662,62.2 41.992,62.53 v1(45.1,62.53)